# Altium PCB 即热式热水器控制系统_主板pcb(V1.9).PcbDoc
Units mm, origin at the board's own origin, x right, y up, seen from the top; angles counter-clockwise.
Board outline 78.5 x 78.5 mm, 2 copper layers (Top Layer, Bottom Layer); 60 components, 47 nets, 207 pads, 212 vias.
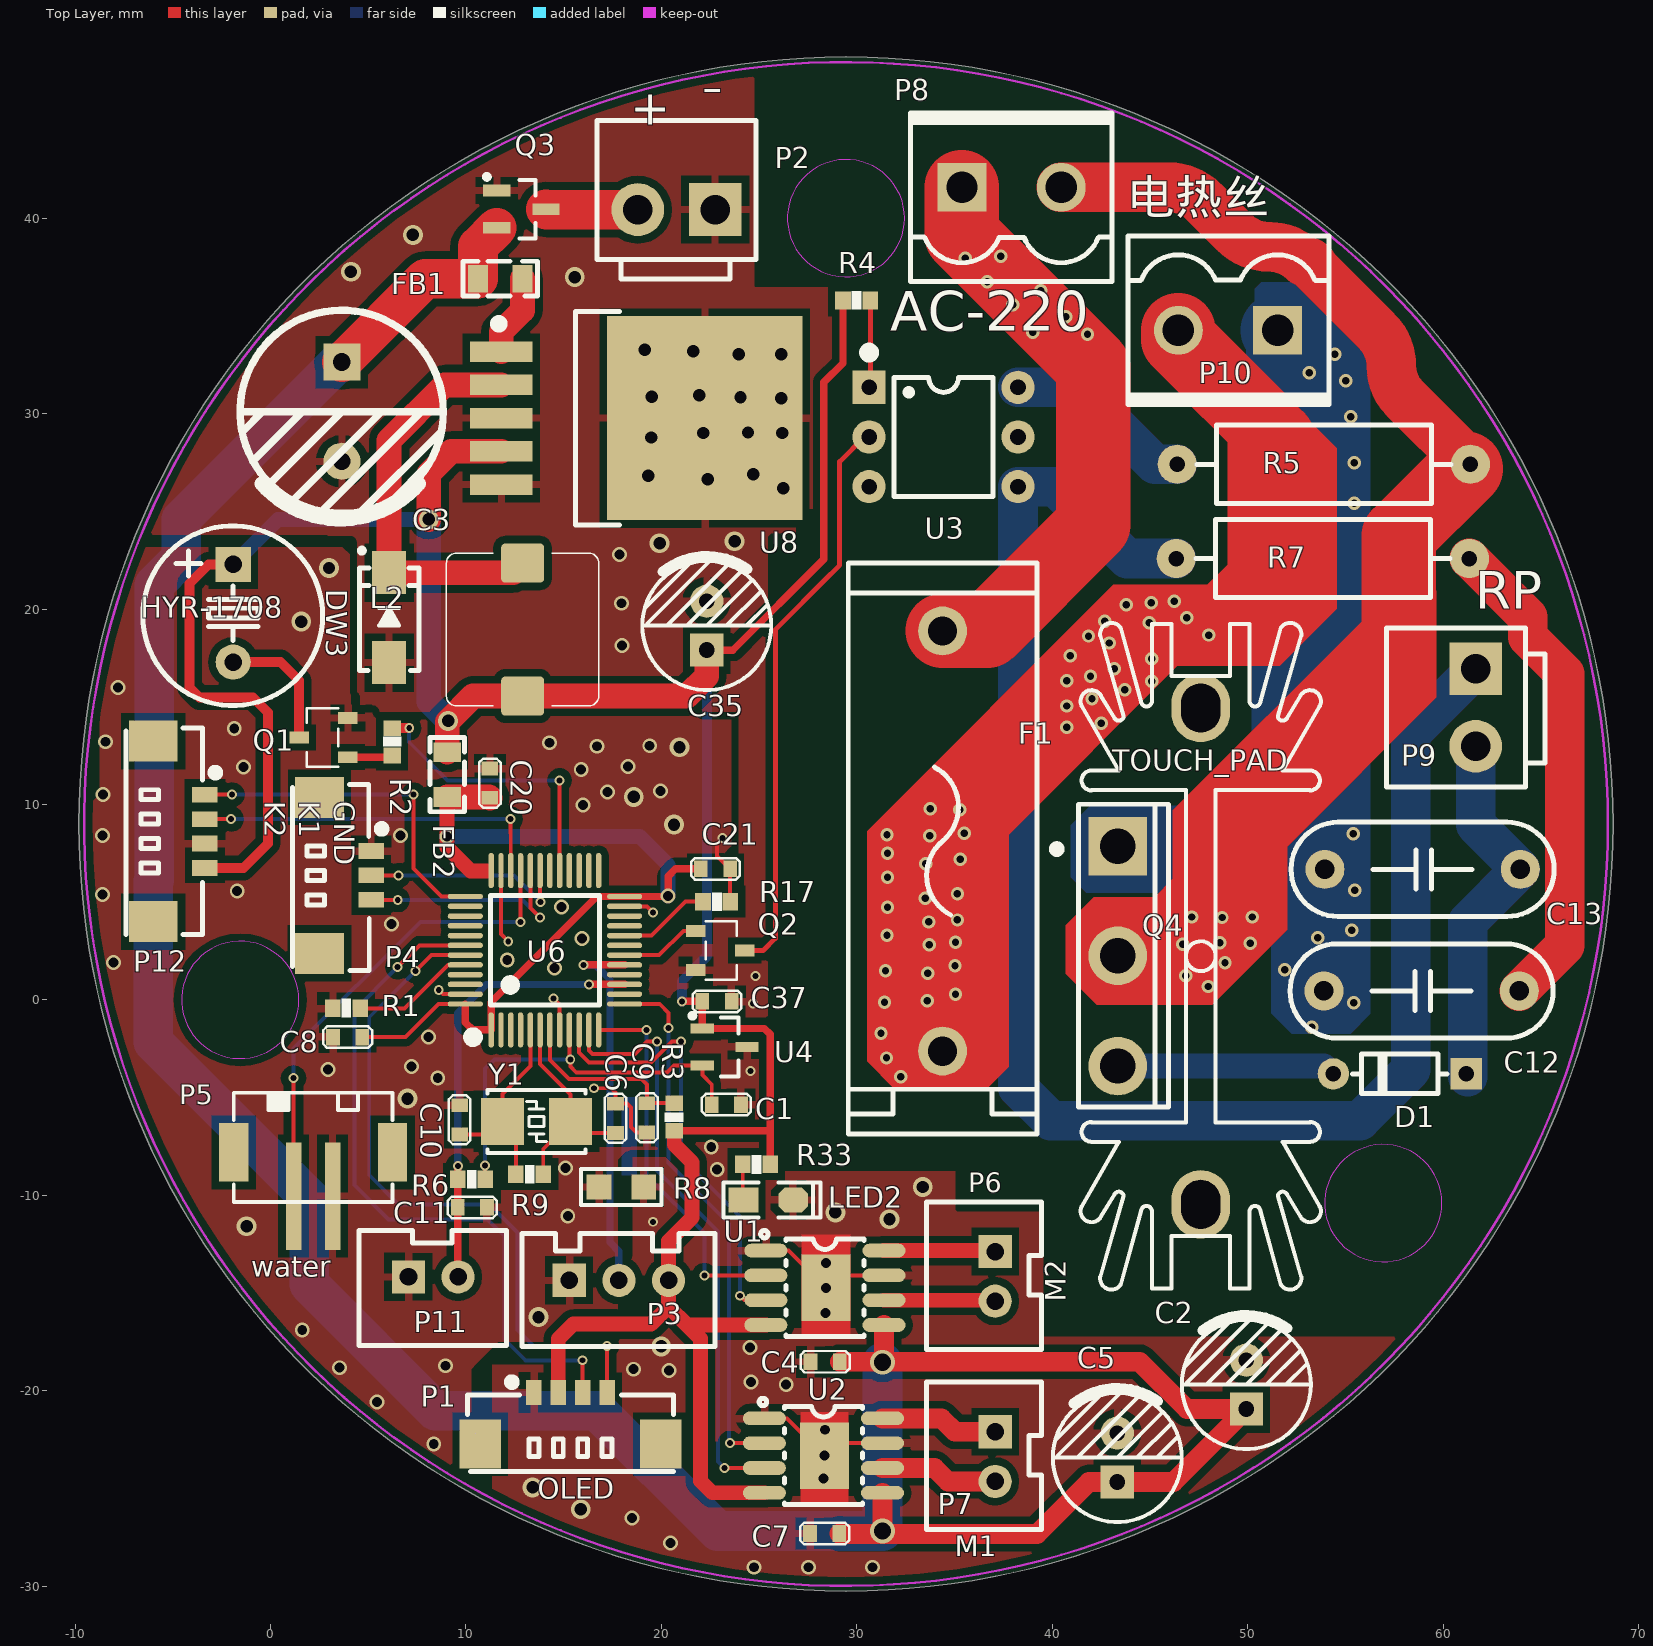
[diagram p0: Top Layer view]
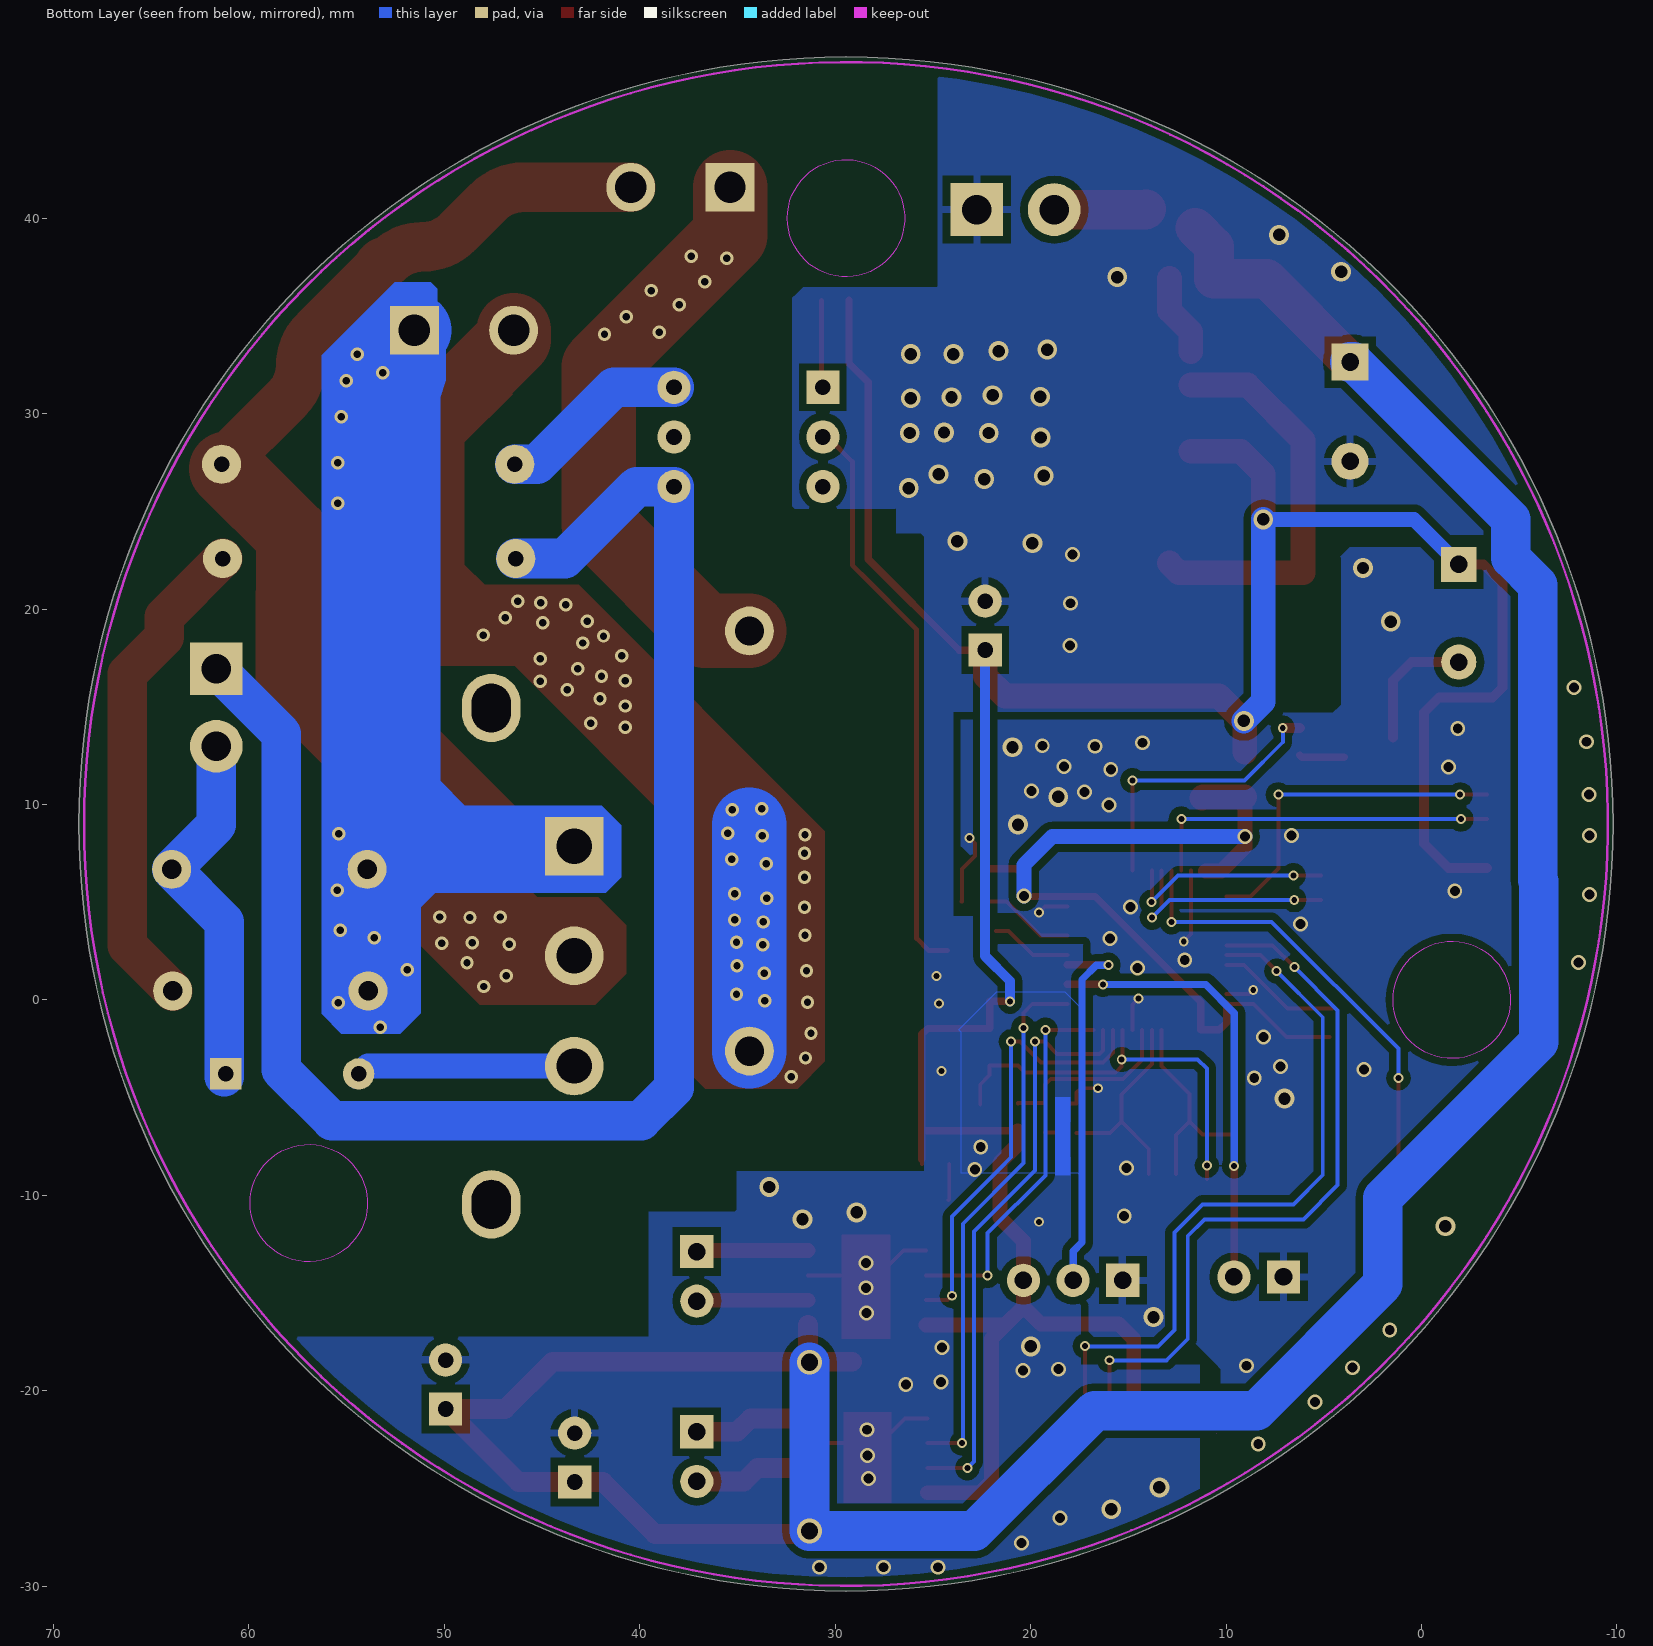
[diagram p1: Bottom Layer view, seen from below]

## Layer stack, top to bottom
Top Layer: signal copper 0.0356
Dielectric: dielectric 0.32, FR-4, Dk 4.8
Bottom Layer: signal copper 0.0356

## Board outline
-9.8,9 ccw(c29.45,9) 29.45,-30.25 ccw(c29.45,9) 68.7,9 ccw(c29.45,9) 29.45,48.25 ccw(c29.45,9)

## Design rules (kind name [scope] priority, off if disabled: settings)
Clearance Clearance_1 [InPolygon] p1: gap=0.381
Clearance [All] p2: gap=0.127
HoleToHoleClearance [All] p1: gap=0.1 allowstackedmicrovias=TRUE
MinimumSolderMaskSliver [All] p1: minsoldermaskwidth=0.1
PlaneConnect PlaneConnect_1 [IsVia] p1: planeconnectstyle=Relief reliefexpansion=0.508 reliefentries=4 reliefconductorwidth=0.254 reliefairgap=0.254
PlaneConnect [All] p2: planeconnectstyle=Relief reliefexpansion=0.508 reliefentries=4 reliefconductorwidth=0.254 reliefairgap=0.254
PolygonConnect PolygonConnect_1 [IsVia] p1: connectstyle=Direct reliefconductorwidth=0.254 reliefentries=4 polygonreliefangle="90 Angle"
PolygonConnect [All] p2: connectstyle=Relief reliefconductorwidth=0.381 reliefentries=4 polygonreliefangle="90 Angle"
RoutingVias [All] p1: holewidth=0.711 width=1.27 viastyle="Through Hole" minholewidth=0.3 minwidth=0.6 maxholewidth=0.711 maxwidth=1.27
SilkToSilkClearance [All] p1: silktosilkclearance=0
SilkscreenOverComponentPads SilkToSolderMaskClearance [IsPad] p1: minsilkscreentomaskgap=0
SolderMaskExpansion [All] p1: expansion=0.102
Width [All] p1: maxlimit=10.16 minlimit=0.001 preferedwidth=0.254 minimp=50.000000 maximp=50.000000 favimp=50.000000
23 further rules are at their usual default settings.

## Components (designator, comment, footprint, x,y, rotation, side; value= is the part's Value field where it differs from the comment)
C1 "0.1uF" 0603C 22.581,-5.359 r0 top
C2 "220uF/25V" "CAP 2.5*6.3*11.2" 49.936,-19.685 r90 top
C3 "680uF/35V" "CAP 5.0*10*16" 3.658,30.099 r270 top
C4 "0.1uF" 0603C 29.134,-18.517 r180 top
C5 "220uF/25V" "CAP 2.5*6.3*11.2" 43.332,-23.419 r90 top
C6 "18pF/10V" 0603C 17.653,-5.309 r270 top
C7 "0.1uF" 0603C 29.108,-27.305 r180 top
C8 "0.01uF/10V" 0603C 4.699,-1.905 r180 top
C9 "0.01uF/10V" 0603c 19.262,-6.782 r90 top
C10 "18pF/10V" 0603c 9.677,-5.385 r270 top
C11 "1nF" 0603C 9.576,-10.617 r0 top
C12 "0.1uF/275V" "CBB 10*12*8" 58.903,0.457 r180 top
C13 "0.1uF/275V" "CBB 10*12*8" 58.953,6.68 r180 top
C20 "0.01uF/10V" 0603C 11.227,10.338 r90 top
C21 "0.01uF/10V" 0603C 22.022,6.706 r0 top
C35 "220uF/25V" "CAP 2.5*6.3*11.2" 22.327,19.152 r90 top
C37 "0.1uF" 0603C 22.098,-0.076 r0 top
D1 "ESD9M5.0S-DTVS105" DO-35 57.785,-3.785 r180 top
DW3 "SS34" SMA 6.071,19.558 r90 top
F1 "5x20/30A" "FU BLX-A" 34.392,8.128 r90 top
FB1 "30R/5A" "L 0805" 11.76,36.906 r0 top
FB2 "30R/5A" "L 0805" 9.042,11.532 r270 top
HYR-1708 "BELL" "BEEP 5x9x5.5" -1.905,19.787 r180 top
L2 "CDRH127-100uH" CDRH74 12.903,18.948 r0 top
LED2 "" "LED 0805R" 25.476,-10.236 r0 top
P1 "MHDR1X4" "MX 1.25-LS-4P" 15.367,-22.352 r0 top
P2 "Header 2" VH3.96-LI-2P 20.777,40.437 r180 top
P3 "Header 3" XH2.54-LI-3P 17.831,-14.351 r0 top
P4 "Header 3" "MX 1.25-LS-3P" 2.896,10.109 r270 top
P5 "Header 2" PH2.0-LS-2P 2.184,-7.544 r0 top
P6 "Header 2" XH2.54-LI-2P 37.084,-14.148 r270 top
P7 "Header 2" XH2.54-LI-2P 37.084,-23.368 r270 top
P8 "Header 2" KF2EDGK5.08-LI-2P 37.922,41.58 r0 top
P9 "Header 2" VH3.96-LI-2P 61.671,14.961 r270 top
P10 "Header 2" KF2EDGK5.08-LI-2P 48.997,34.265 r180 top
P11 "Header 2" XH2.54-LI-2P 8.331,-14.173 r0 top
P12 "MHDR1X4" "MX 1.25-LS-4P" -5.613,8.611 r270 top
Q1 "S8050" SOT23-3 3.962,12.421 r0 top
Q2 "S8050" SOT23-3 21.768,3.531 r180 top
Q3 "AO3401A" SOT23-3M 11.582,40.462 r270 top
Q4 "SCR" TOP-3 43.358,2.235 r270 top
R1 "10K/5%" 0603r 3.886,-0.432 r180 top
R2 "4K7" 0603R 6.223,13.208 r90 top
R3 "10K/5%" 0603r 20.659,-5.994 r270 top
R4 "510" 0603r 29.997,35.789 r180 top
R5 "1K" "RS 1W" 53.899,27.407 r180 top
R6 "10K/5%" 0603r 10.287,-9.169 r0 top
R7 "100" "RS 1W" 53.848,22.581 r0 top
R8 "0" "R 0805_M" 17.958,-9.576 r0 top
R9 "1M/5%" 0603R 13.259,-8.915 r0 top
R17 "10K/5%" 0603r 22.835,5.029 r0 top
R33 "4K7" 0603R 24.867,-8.407 r0 top
TOUCH_PAD "TP" SRP12-34-25-P 47.6,2.235 r90 top
U1 "A4950" SOIC_8_EP 28.372,-14.732 r0 top
U2 "A4950" SOIC_8_EP 28.296,-23.317 r0 top
U3 "Optoisolator2" DIP6-300 34.442,28.804 r0 top
U4 "REF3012AIDBZR" SOT23-3N 23.241,-2.413 r270 top
U6 "STM32F10xC8T6" "LQFP48 7X7_N" 14.046,2.54 r0 top
U8 "LM2596-3.3" TO263-5A 11.811,29.769 r270 top
Y1 "8MHz" "OSC 5032-2P" 13.614,-6.223 r0 top

## Footprints (in the part's own frame and the unit in brackets; to place one, negate y for a bottom-side part, rotate by r counter-clockwise, add the part's x,y. Pads: shape width x height; smd on the part's side, far side on the other; paste and mask are expansions set on the pad)
0603C [mm]
  rect 0.7x0.85 smd: 1(0,0) 2(1.5,0)
  silkscreen extent -0.5,-0.55 2,0.55
0603c [mm]
  rect 0.7x0.85 smd: 1(0,0) 2(1.5,0)
  silkscreen extent -0.5,-0.55 2,0.55
0603r [mm]
  rect 0.8x0.9 smd: 1(-0.7,0) 2(0.7,0)
  silkscreen extent -0.24,-0.49 0.26,0.47, body extent -0.78,-0.43 0.77,0.42, height 0.45
0603R [mm]
  rect 0.8x0.9 smd: 1(-0.7,0) 2(0.7,0)
  silkscreen extent -0.24,-0.49 0.26,0.47, body extent -0.78,-0.43 0.77,0.42, height 0.45
"BEEP 5x9x5.5" [mm] "5*9*5.5mm(脚距,直径,高度)"
  rect 1.8x1.8 hole 0.9: 1(0,-2.5)
  round 1.8 hole 0.9: 2(0,2.5)
  silkscreen extent -4.58,-4.47 4.62,4.72, body extent -4.5,-4.5 4.5,4.5, height 5.45
"CAP 2.5*6.3*11.2" [mm] "脚距2.5mm直径6.3mm高度11.2mm"
  rect 1.7x1.7 hole 0.8: 1(-1.25,0)
  round 1.7 hole 0.8: 2(1.25,0)
  silkscreen extent -3.3,-3.3 3.56,3.3, body extent -3.15,-3.15 3.16,3.15, height 11.23
"CAP 5.0*10*16" [mm] "脚距5mm直径10mm高度16mm"
  rect 1.9x1.9 hole 0.9: 1(-2.54,0)
  round 1.9 hole 0.9: 2(2.54,0)
  silkscreen extent -5.19,-5.21 5.5,5.19, body extent -4.96,-4.97 5.01,4.97, height 16.04
"CBB 10*12*8" [mm] "脚距10mm高12mm厚8mm"
  round 2 hole 1: 1(-5,0) 2(5,0)
  silkscreen extent -6.73,-2.41 6.73,2.41, body extent -6,-2.25 6,2.25, height 8.53
CDRH74 [mm]
  rrect20% 2.2x2 smd: 1(0,-3.4) 2(0,3.4)
  silkscreen extent -3.9,-3.9 3.9,3.9, body extent -3.71,-3.7 3.69,3.7, height 4.15
DIP6-300 [mm] "6.8*7.6*3.8(长宽高）"
  rect 1.7x1.7 hole 0.8: 1(-3.81,2.54)
  round 1.7 hole 0.8: 2(-3.81,0) 3(-3.81,-2.54) 4(3.81,-2.54) 5(3.81,0) 6(3.81,2.54)
  silkscreen extent -4.06,-3.05 2.54,4.57, body extent -3.93,-3.43 3.93,3.43, height 4.5
DO-35 [mm] "1.8*6.8mm(直径，"
  rect 1.6x1.6 hole 0.8: 1(-3.4,0)
  round 1.6 hole 0.8: 2(3.4,0)
  silkscreen extent -2.41,-1.02 2.41,1.02, body extent -3.65,-0.9 3.65,0.9, height 1.85
"FU BLX-A" [mm] "BLX-A型保险丝座"
  round 2.5 hole 1.5: 1(-10.75,0) 2(10.75,0)
  silkscreen extent -14.99,-4.83 14.22,4.83, body extent -15.05,-4.75 14.3,4.75, height 13.9
KF2EDGK5.08-LI-2P [mm] "立插端子"
  rect 2.5x2.5 hole 1.6: 1(-2.54,0)
  round 2.5 hole 1.6: 2(2.54,0)
  silkscreen extent -5.16,-4.83 5.13,3.81, body extent -5.08,-4.75 5.08,3.75, height 11.25
"L 0805" [mil] "小功率贴片电感"
  rect 40x55 smd: 1(-45,0) 2(45,0)
  silkscreen extent -75,-35 75,35, body extent -39,-24 39,24, height 35
"LED 0805R" [mil] "红色0805LED"
  rect 60x50 smd: 1(-50,0)
  oct 60x50 smd: 2(50,0)
  silkscreen extent -90,-35 105,35
"LQFP48 7X7_N" [mm] "48脚，体宽7x7mm，脚距0.5mm"
  oval 0.279x1.8 smd: 1(-2.75,-4.075) 2(-2.25,-4.075) 3(-1.75,-4.075) 4(-1.25,-4.075) 5(-0.75,-4.075) 6(-0.25,-4.075) 7(0.25,-4.075) 8(0.75,-4.075) 9(1.25,-4.075) 10(1.75,-4.075) 11(2.25,-4.075) 12(2.75,-4.075) 25(2.75,4.075) 26(2.25,4.075) 27(1.75,4.075) 28(1.25,4.075) 29(0.75,4.075) 30(0.25,4.075) 31(-0.25,4.075) 32(-0.75,4.075) 33(-1.25,4.075) 34(-1.75,4.075) 35(-2.25,4.075) 36(-2.75,4.075)
  oval 1.8x0.279 smd: 13(4.075,-2.75) 14(4.075,-2.25) 15(4.075,-1.75) 16(4.075,-1.25) 17(4.075,-0.75) 18(4.075,-0.25) 19(4.075,0.25) 20(4.075,0.75) 21(4.075,1.25) 22(4.075,1.75) 23(4.075,2.25) 24(4.075,2.75) 37(-4.075,2.75) 38(-4.075,2.25) 39(-4.075,1.75) 40(-4.075,1.25) 41(-4.075,0.75) 42(-4.075,0.25) 43(-4.075,-0.25) 44(-4.075,-0.75) 45(-4.075,-1.25) 46(-4.075,-1.75) 47(-4.075,-2.25) 48(-4.075,-2.75)
  silkscreen extent -3.93,-4.69 2.79,2.79, body extent -4.5,-4.5 4.5,4.5, height 1.45
"MX 1.25-LS-3P" [mm] "长：8.5m，宽：3.7mm，高：4.7mm"
  rect 2.1x2.5 smd: 0(-0.254,-0.381) 0(7.732,-0.381)
  rect 0.8x1.3 smd: 1(2.489,2.261) 2(3.739,2.261) 3(4.989,2.261)
  silkscreen extent -0.92,-1.78 8.61,2.99, body extent -0.7,-1.6 8.2,2.5, height 4.7
"MX 1.25-LS-4P" [mm] "长：9.7"
  rect 2.1x2.5 smd: 0(-4.632,-0.381) 0(4.604,-0.381)
  rect 0.8x1.3 smd: 1(-1.889,2.261) 2(-0.639,2.261) 3(0.611,2.261) 4(1.861,2.261)
  silkscreen extent -5.29,-1.78 5.27,2.99, body extent -5.07,-1.6 5.07,2.5, height 4.7
"OSC 5032-2P" [mm] "5mm*3.2mm*0.8mm(长*宽*高)"
  rect 2.2x2.4 smd: 1(-1.75,0) 2(1.75,0)
  silkscreen extent -2.5,-1.6 2.5,1.6, body extent -2.5,-1.6 2.5,1.6, height 0.86
PH2.0-LS-2P [mm] "长：8mm，宽：5.5mm，?"
  rect 1.5x3 smd: 0(-4.064,-0.254) 0(4.064,-0.254)
  rect 0.8x5.5 smd: 1(-1,-2.492) 2(1,-2.492)
  silkscreen extent -4.06,-2.79 4.06,2.79, body extent -4,-5.05 4,2.75, height 6.15
"R 0805_M" [mil] "1/8W贴片电阻"
  rect 50x50 smd: 1(-45,0) 2(45,0)
  silkscreen extent -81,-36 81,36, body extent -39,-25 39,25, height 20
"RS 1W" [mm] "直插色环电阻，脚距15mm，直径4mm"
  round 2 hole 0.8: 1(-7.5,0) 2(7.5,0)
  silkscreen extent -6.5,-2 6.5,2, body extent -7.8,-2.01 7.8,2.01, height 4.11
SMA [mm] "4.5x2.6*2.2mm（长宽高，不包括引脚）"
  rect 2.2x1.75 smd: 1(-2.3,0) 2(2.3,0)
  silkscreen extent -2.7,-1.52 3.56,1.52, body extent -2.53,-1.3 2.57,1.3, height 2.15
SOIC_8_EP [mm]
  oval 2.2x0.7 smd: 1(-3.023,1.905) 2(-3.023,0.635) 3(-3.023,-0.635) 4(-3.023,-1.905) 5(3.023,-1.905) 6(3.023,-0.635) 7(3.023,0.635) 8(3.023,1.905)
  rect 2.5x3.4 smd: 9(0.051,0)
  silkscreen extent -3.29,-2.5 2,2.93
SOT23-3 [mm]
  rect 1x0.6 smd: 1(0,0) 2(0,2) 3(-2.5,1)
  silkscreen extent -2.1,-0.5 -0.5,2.5
SOT23-3M [mm] "3x1.3x1mm(长宽高)"
  rect 0.6x1.4 smd: 1(-0.95,0) 2(0.95,0) 3(0,2.514)
  silkscreen extent -1.78,-0.63 1.5,1.97, body extent -1.5,0.07 1.5,2.47, height 1.05
SOT23-3N [mm] "3x1.3x1mm(长宽高)"
  rect 0.5x1.2 smd: 1(-0.95,-1.143) 2(0.95,-1.143) 3(0,1.143)
  silkscreen extent -1.72,-1.78 1.5,0.7, body extent -1.5,-1.2 1.5,1.2, height 1.05
SRP12-34-25-P [mm] "12mm*32mm*25mm(长*宽*"
  oval 3.5x3 hole 2 slot 2.5 at 0 deg unplated: 0(-12.7,0) 0(12.7,0)
  silkscreen extent -17.06,-6.15 17.06,6.14, body extent -17.01,-6.07 17.01,6.06, height 25.05
TO263-5A [mm] "263，5脚晶体管"
  rect 1.05x3.2 smd: 1(-3.4,0) 2(-1.7,0) 3(0,0) 4(1.7,0) 5(3.4,0)
  rect 10.45x10 smd: 3(0,10.414)
  silkscreen extent -5.46,-0.33 5.46,6.04, body extent -5,-0.01 5,13.32, height 4.5
TOP-3 [mm]
  rect 3x3 hole 1.8: 1(-5.625,0)
  round 3 hole 1.8: 2(-0.025,0) 3(5.625,0)
  silkscreen extent -7.78,-3.32 7.72,2.6
VH3.96-LI-2P [mm] "接插件，25V/5A"
  rect 2.7x2.7 hole 1.5: 1(-1.98,0)
  round 2.7 hole 1.5: 2(1.982,0)
  silkscreen extent -4.06,-4.57 4.07,3.56, body extent -3.98,-4.4 4.03,4.16, height 10.5
XH2.54-LI-2P [mm] "接?"
  rect 1.7x1.7 hole 0.9: 1(-1.27,0)
  round 1.7 hole 0.9: 2(1.27,0)
  silkscreen extent -3.81,-3.51 3.74,2.37, body extent -3.77,-3.3 3.77,2.4, height 7.05
XH2.54-LI-3P [mm] "接?"
  rect 1.7x1.7 hole 0.9: 1(-2.54,0)
  round 1.7 hole 0.9: 2(0,0) 3(2.54,0)
  silkscreen extent -4.95,-3.38 4.93,2.39, body extent -5.04,-3.3 5.04,2.4, height 7.03

## Part data
C1 C4 C6 C7 C8 C9 C10 C11 C12 C13 C20 C21 C37: library part Cap, "Capacitor"
C2 C3 C5 C35: library part E01
DW3: library part ZENER2, "Zener Diode"
F1: library part "Fuse 1", "Fuse"
FB1 FB2 L2: library part INDUCTOR1
HYR-1708: "Bell"
LED2: library part LED0, "Typical INFRARED GaAs LED"
P1 P12: "Header, 4-Pin"
P2 P5 P6 P7 P8 P9 P10 P11: "Header, 2-Pin"
P3 P4: "Header, 3-Pin"
Q1 Q2: library part 2N1069_1
Q3: library part NMOS
Q4: "Silicon Controlled Rectifier"
R1 R3 R4 R5 R6 R7 R8 R9 R17: library part Res2, "Resistor"
R2 R33: library part RES1
TOUCH_PAD: library part TOUCH_PAD, "TEST_3P"
U3: "5 Pin Mini Flat Pack Optocoupler"
U4: library part REF3012
U6: library part STM32F100C8T6
U8: library part LM2576
Y1: library part XTAL, "Crystal Oscillator"

## Via types
v1: diameter 0.686, hole 0.381, Top Layer to Bottom Layer, tented both sides, 76 vias
v2: diameter 0.762, hole 0.508, Top Layer to Bottom Layer, tented both sides, 57 vias
v3: diameter 0.508, hole 0.305, Top Layer to Bottom Layer, tented both sides, 40 vias
v4: diameter 1.016, hole 0.635, Top Layer to Bottom Layer, tented both sides, 37 vias
v5: diameter 1.27, hole 0.889, Top Layer to Bottom Layer, tented both sides, 2 vias

## Nets (pads, with @x,y where several pads share a name; then routed paths per layer and width w, separated by ;. In a path a pad name is that pad's centre, name@x,y a point inside that pad or via, vN(x,y) a via of type N, cw(c..) or ccw(c..) an arc to the next point about the centre after c; other vN are vias at no path point)
+3V: C1.1 R6.2 U4.2 U6.9 | length 22.5
  Top Layer w0.203: R6.2 v3(10.987,-8.472) ; 15.296,-2.698 U6.9 15.296,-3.003 v3(15.342,-3.048) 15.342,-3.404 15.646,-3.708 20.295,-3.708 20.64,-3.363 U4.2 22.098,-3.835 22.581,-4.318 C1.1
  Bottom Layer w0.203: v3(10.987,-8.472) 10.987,-3.516 11.455,-3.048 v3(15.342,-3.048)
+3V3: C35.1 C37.1 FB2.1 HYR-1708.1 L2.1 P1.2 P3.3 P12.4 R3.2 R4.2 R33.2 U1.4 U2.4 U4.1 U8.4 | length 162.1
  Top Layer w0.203: R33.2 R33.2@25.567,-8.153
  Top Layer w0.381: R3.2 25.567,-6.694 ; v3(21.057,-0.076) C37.1 U4.1 25.263,-1.463 25.567,-1.767 25.567,-6.694 ; C35.1 23.667,17.902 28.321,22.555 28.321,31.598 29.297,32.574 R4.2 ; R33.2@25.567,-8.153 25.567,-6.694
  Top Layer w0.508: P12.4 -1.379,6.749 -0.127,8.001 -0.127,12.319 -0.127,14.707 -0.889,15.469 -3.632,15.469 -4.14,15.977 -4.14,21.311 -3.164,22.287 HYR-1708.1
  Top Layer w0.762: P1.2 14.728,-17.352 15.494,-16.586 19.482,-16.586 20.371,-15.697 ; R3.2 20.659,-7.4 21.579,-8.32 21.579,-8.661 21.579,-11.136 20.371,-12.344 P3.3 20.371,-15.697 ; U2.4 22.606,-25.222 21.996,-24.613 21.996,-17.323 21.311,-16.637 ; U1.4 21.311,-16.637 ; 20.371,-15.697 21.311,-16.637
  Top Layer w1.27: v4(8.103,24.587) 8.103,26.924 9.247,28.069 U8.4 ; FB2.1 9.042,14.224 v4(9.093,14.275) 10.367,15.548 L2.1 21.314,15.548 22.327,16.561 C35.1
  Bottom Layer w0.508: v3(21.057,-0.076) 21.057,0.965 22.327,2.235 C35.1
  Bottom Layer w0.762: HYR-1708.1 0.396,24.587 v4(8.103,24.587)
  Bottom Layer w1.27: v4(8.103,24.587) 8.103,15.265 v4(9.093,14.275)
+12V: C2.1 C3.1 C4.1 C5.1 C7.1 FB1.1 Q3.2 U1.5 U2.5 | length 159.9
  Top Layer w1.016: C7.1 29.134,-27.33 v5@31.166,-27.33 ; C4.1 31.318,-18.517 v5@31.344,-18.517 ; U2.5 v5(31.318,-27.178) v5@31.166,-27.33 ; v5(31.318,-18.542) v5@31.344,-18.517 ; 31.394,-17.653 U1.5 31.394,-18.466 v5@31.344,-18.517 ; v5@31.166,-27.33 39.228,-27.33 41.889,-24.669 C5.1 46.203,-24.669 C2.1 46.894,-20.935 44.475,-18.517 v5@31.344,-18.517
  Top Layer w2.032: C3.1 7.925,36.906 FB1.1 10.617,38.547 Q3.2
  Bottom Layer w2.032: C3.1 3.48,32.639 -4.572,24.587 -4.572,22.606 -5.949,21.229 -5.949,6.116 -5.994,6.071 -5.994,-2.159 1.981,-10.135 1.981,-14.554 8.447,-21.02 16.727,-21.02 22.885,-27.178 v5(31.318,-27.178) v5(31.318,-18.542)
ADC_1: C11.1 P11.2 R6.1 U6.15 | length 22.6
  Top Layer w0.381: v3(9.587,-8.498) R6.1 9.587,-14.159 P11.2 ; v3@16.36,0.79 U6.15
  Bottom Layer w0.381: v3(9.587,-8.498) 9.587,-0.675 11.049,0.787 v3(16.307,0.787)
ADC_3: P3.2 U6.17 | length 19.3
  Top Layer w0.381: v3(16.027,1.778) 16.039,1.79 U6.17
  Bottom Layer w0.381: v3(16.027,1.778) 16.637,1.778 17.374,1.041 17.374,-12.395 17.831,-12.852 P3.2
AGND: C1.2 C2.2 C3.2 C4.2 C5.2 C7.2 C35.2 C37.2 DW3.1 LED2.2 P1.1 P2.1 Q2.2 Q3.1 R8.2 U1.1 U1.7 U1.9 U2.1 U2.7 U2.9 U4.3 U8.3 U8.5 | length 14.2
  Top Layer w0.203: U2.1 26.441,-21.412 v2(28.346,-23.317) 28.981,-22.682 U2.7 ; U1.1 26.518,-12.827 v2(28.423,-14.732) 29.058,-14.097 U1.7
  other v2: 24.74,-29.032 27.534,-29.032 30.81,-29.032 20.472,-27.788 18.491,-26.518 28.296,-24.486 28.372,-21.996 26.391,-19.685 24.587,-19.558 20.396,-18.974 18.567,-18.898 24.536,-17.78 28.397,-16.027 28.423,-13.462 22.86,-8.687 22.555,-7.518 17.983,18.136 17.958,20.295 17.856,22.784
  other v3: 19.583,-11.354 24.562,-3.632 24.689,-0.178 24.816,1.219
  other v4: 15.875,-26.06 13.411,-24.943 19.993,-17.729 31.674,-11.227 28.905,-10.871 33.376,-9.576 19.914,23.368 23.749,23.47 26.238,26.187 22.377,26.645 19.329,26.822 24.714,26.899 19.482,28.778 22.149,29.007 26.187,29.007 24.435,29.032 26.137,30.785 24.054,30.836 19.507,30.861 21.946,30.937 23.952,33.045 26.137,33.045 21.641,33.198 19.152,33.274 15.57,36.982 4.115,37.262 7.29,39.141
FM: R2.2 U6.29 | length 14.7
  Top Layer w0.203: U6.29 v3(14.796,11.227)
  Top Layer w0.508: R2.2 v3(7.101,13.908)
  Bottom Layer w0.203: v3(7.101,13.908) 7.101,13.183 9.057,11.227 v3(14.796,11.227)
GND: C6.1 C8.2 C9.1 C10.1 C11.2 C20.2 C21.2 P3.1 P4.1 P5.2 P11.1 P12.3 Q1.2 R1.2 R8.1 R17.2 U6.8 U6.23 U6.35 U6.47 | length 16.8
  Top Layer w0.203: v3(8.611,0.508) 8.829,0.29 U6.47 ; U6.35 11.796,3.368 v3(12.167,2.997) ; v3(14.478,0.076) 14.796,-0.242 U6.8 ; v3(16.561,-4.521) 17.424,-4.521 17.653,-4.75 C6.1 18.237,-5.309 18.44,-5.512 18.44,-6.502 18.72,-6.782 C9.1 ; U6.23 19.264,4.79 v3(19.583,4.47) ; v3(23.139,8.28) 22.86,8.001 22.86,7.367 C21.2 23.522,5.042 R17.2
  other v2: 8.357,-22.733 5.461,-20.574 3.531,-18.821 8.966,-18.72 1.626,-16.891 15.215,-11.049 15.088,-8.611 8.56,-3.988 2.946,-3.556 7.214,-3.404 8.077,-1.905 14.529,1.626 -8.026,1.905 12.116,2.032 15.951,3.15 6.198,3.886 14.884,4.75 -8.585,5.385 -1.702,5.563 -8.585,8.407 6.655,8.407 16.002,9.982 -8.56,10.516 17.247,10.643 19.964,10.693 15.9,11.786 -1.372,11.913 18.288,11.938 16.713,12.979 19.406,13.005 14.275,13.157 -8.433,13.208 -1.854,13.894 -7.798,15.977
  other v4: 13.716,-16.231 -1.219,-11.582 7.01,-5.055 20.65,8.966 18.593,10.389 20.93,12.929 1.572,19.355 2.997,22.098
HEAT: Q2.1 U6.18 | length 4.2
  Top Layer w0.203: U6.18 19.892,2.29 21.133,3.531 Q2.1
KEY1: P4.2 U6.31 | length 10.8
  Top Layer w0.203: P4.2 v3(6.559,6.37) ; U6.31 13.796,5.025 v3(13.818,5.004)
  Bottom Layer w0.203: v3(6.559,6.37) 12.451,6.37 v3(13.818,5.004)
KEY2: P4.3 U6.32 | length 11.6
  Top Layer w0.203: P4.3 v3(6.513,5.12) ; U6.32 13.296,4.712 v3(13.792,4.216)
  Bottom Layer w0.203: v3(6.513,5.12) 12.889,5.12 v3(13.792,4.216)
NetC8_1: C8.1 C20.1 C21.1 FB2.2 U6.1 U6.24 U6.36 U6.48 | length 44.8
  Top Layer w0.203: C8.1 6.909,-1.905 8.604,-0.21 U6.48
  Top Layer w0.381: U6.48 9.971,-1.157 10.349,-1.535 U6.1 11.296,-0.108 16.695,5.29 U6.24 20.327,5.29 v2(20.345,5.309) 20.345,6.325 20.726,6.706 21.742,6.706 C21.1
  Top Layer w0.762: FB2.2 v2(9.042,8.357) 9.042,7.798 10.236,6.604 11.049,6.604
  Top Layer w1.27: FB2.2 11.176,10.389 C20.1
  Bottom Layer w0.762: v2(9.042,8.357) 18.898,8.357 20.345,6.909 20.345,5.715 v2(20.345,5.309)
NetC12_1: C12.1 R7.2 | length 25.1
  Top Layer w2.032: R7.2 64.338,19.59 64.338,18.567 66.223,16.682 66.223,2.778 C12.1
NetC12_2: C12.2 C13.2 P10.1 Q4.1 | length 45.9
  Bottom Layer w3.81: Q4.1 52.773,7.86 C13.2 ; P10.1 53.953,31.848 C13.2 ; C12.2 53.953,0.508 C13.2
  other v1: 53.289,-1.397 55.423,-0.152 51.892,1.549 53.594,3.175 55.321,3.556 55.474,5.613 55.397,8.509 55.448,25.407 55.448,27.483 55.27,29.845 55.016,31.674 53.162,32.08 54.458,33.045
NetC13_1: C13.1 D1.1 P9.2 | length 19
  Bottom Layer w2.032: D1.1@61.261,-3.937 61.261,3.988 C13.1 61.671,8.962 P9.2
NetD1_2: D1.2 Q4.3 | length 11.3
  Bottom Layer w1.27: Q4.3 53.914,-3.39 D1.2@54.461,-3.937
NetDW3_2: DW3.2 L2.2 U8.2 | length 20.7
  Top Layer w1.27: U8.2 8.914,31.469 6.071,28.626 DW3.2 12.413,21.858 L2.2
NetF1_1: F1.1 P10.2 | length 60.5
  Top Layer w3.81: F1.1 34.392,9.474 44.221,19.304 49.098,19.304 49.558,19.764 51.537,21.742 51.537,28.711 49.558,30.69 48.531,31.717 46.457,33.791 P10.2
  Bottom Layer w3.81: F1.1 34.392,8.966
  other v1: 32.258,-3.937 31.521,-2.972 31.242,-1.702 31.42,-0.127 33.604,-0.051 35.052,0.279 33.63,1.372 31.471,1.499 35.027,1.753 33.706,2.819 35.052,2.946 31.547,3.302 33.68,3.988 35.154,4.089 31.572,4.75 33.503,5.207 35.154,5.436 31.572,6.274 33.528,6.96 35.306,7.188 31.572,7.493 33.731,8.407 31.547,8.458 35.509,8.534 35.281,9.728 33.757,9.779 40.742,13.945 42.52,14.148 40.742,15.037 42.037,15.418 43.713,15.875 45.104,16.307 40.742,16.332 41.961,16.561 43.18,16.942 45.104,17.45 40.919,17.602 42.926,18.263 41.859,18.618 48.006,18.669 44.958,19.304 42.697,19.38 46.888,19.558 43.79,20.218 45.06,20.32 46.253,20.396
NetF1_2: F1.2 P8.1 | length 30
  Top Layer w3.81: F1.2 36.683,18.878 42.113,24.308 42.113,32.385 35.382,39.116 P8.1
  other v1: 41.808,34.061 39.014,34.163 40.691,34.95 37.973,35.56 39.421,36.297 36.675,36.754 35.56,37.948 37.363,38.049
NetFB1_2: FB1.2 U8.1 | length 4.2
  Top Layer w1.27: U8.1 11.811,34.188 12.903,35.281 FB1.2
NetHYR-1708_2: HYR-1708.2 Q1.3 | length 6.7
  Top Layer w0.508: HYR-1708.2 0.519,17.287 1.462,16.343 Q1.3
NetLED2_1: LED2.1 R33.1 | length 1.8
  Top Layer w0.203: R33.1 24.167,-10.197 LED2.1
NetP2_2: P2.2 Q3.3 | length 4.7
  Top Layer w2.032: Q3.3 14.122,40.437 P2.2
NetP6_1: P6.1 U1.8 | length 5.7
  Top Layer w0.762: U1.8 37.033,-12.827 P6.1
NetP6_2: P6.2 U1.6 | length 5.7
  Top Layer w0.762: U1.6 37.033,-15.367 P6.2
NetP7_1: P7.1 U2.8 | length 6
  Top Layer w1.016: U2.8 34.341,-21.412 35.027,-22.098 P7.1
NetP7_2: P7.2 U2.6 | length 6
  Top Layer w1.016: U2.6 33.985,-23.952 34.671,-24.638 P7.2
NetP8_2: P8.2 Q4.2 R5.1 | length 61.5
  Top Layer w2.54: P8.2 45.963,41.58 cw(c45.963,39.04) 47.759,40.836 49.319,39.276 ccw(c51.116,41.072) 51.116,38.532 cw(c51.116,36.043) 52.875,37.803 cw(c52.875,37.19) 53.309,37.623 ccw(c53.37,37.623) 53.327,37.58 ; R5.1 58.041,30.764 cw(c59.702,32.425) 57.353,32.425 ccw(c54.813,32.425) 56.609,34.221 53.38,37.45 ; 53.327,37.58 ccw(c53.511,37.58) 53.38,37.45 ; 53.327,37.58 ccw(c53.511,37.58) 53.38,37.45
  Top Layer w3.81: Q4.2 44.603,2.26 46.075,2.26 49.327,5.512 49.327,9.22 57.738,17.631 57.738,23.745 R5.1@61.165,27.172
  other v1: 47.981,0.686 46.838,1.245 48.844,1.905 46.671,2.856 50.14,2.896 48.565,2.921 48.692,4.216 47.142,4.242 50.241,4.242
NetP9_1: P9.1 R7.1 U3.4 | length 84.1
  Bottom Layer w2.032: R7.1 43.84,22.581 40.157,26.264 U3.4 38.252,-4.496 39.934,-6.178 55.748,-6.178 58.344,-3.581 58.344,13.613 P9.1
NetQ1_1: Q1.1 R2.1 | length 2.3
  Top Layer w0.381: Q1.1 6.136,12.421 R2.1
NetQ2_3: Q2.3 U3.2 | length 29.6
  Top Layer w0.254: Q2.3 25.213,2.531 25.832,3.15 25.832,18.948 28.626,21.742 28.766,21.882 29.127,22.244 29.127,27.54 30.391,28.804 U3.2
NetR1_1: R1.1 U6.44 | length 6.3
  Top Layer w0.203: R1.1 6.858,-0.432 9.08,1.79 U6.44
NetR4_1: R4.1 U3.1 | length 4.5
  Top Layer w0.254: U3.1 30.697,31.409 R4.1
NetR5_2: R5.2 U3.6 | length 11.4
  Bottom Layer w2.032: U3.6 41.326,31.344 ; 42.443,30.226 41.326,31.344 ; R5.2 45.263,27.407 41.326,31.344
NetR17_1: R17.1 U6.20 | length 4.7
  Top Layer w0.203: U6.20 19.495,3.29 21.234,5.029 R17.1
NRST: C9.2 R3.1 U6.7 | length 9.4
  Top Layer w0.203: U6.7 14.296,-3.069 15.265,-4.039 18.974,-4.039 19.262,-4.327 C9.2 20.646,-5.282 R3.1
OSC_IN: C10.2 R9.1 U6.5 Y1.1 | length 10.7
  Top Layer w0.203: C10.2 11.203,-6.885 Y1.1 ; R9.1 12.559,-6.917 Y1.1 ; U6.5 13.296,-3.392 11.864,-4.823 Y1.1
OSC_OUT: C6.2 R9.2 U6.6 Y1.2 | length 11.1
  Top Layer w0.203: U6.6 13.796,-3.281 15.364,-4.849 Y1.2 ; R9.2 13.959,-7.629 Y1.2 ; C6.2 15.95,-6.809 Y1.2
PA2: U1.2 U6.12 | length 19.4
  Top Layer w0.203: U6.12 v3(19.242,-1.535) ; v3(22.2,-14.097) U1.2
  Bottom Layer w0.203: v3(19.242,-1.535) 19.242,-8.98 22.2,-11.938 v3(22.2,-14.097)
PA3: U2.2 U6.13 | length 27.5
  Top Layer w0.203: U6.13 19.92,-0.21 20.371,-0.66 v3(20.371,-1.448) ; v3(23.52,-22.682) U2.2
  Bottom Layer w0.203: v3(20.371,-1.448) 20.371,-8.357 23.47,-11.455 23.47,-22.631 v3(23.52,-22.682)
SCL: P1.3 U6.42 | length 36.7
  Top Layer w0.203: v3(6.502,1.676) 7.616,2.79 U6.42 ; P1.3 v3@15.978,-18.442
  Bottom Layer w0.203: v3(6.502,1.676) 4.293,-0.533 4.293,-9.474 6.045,-11.227 11.1,-11.227 11.963,-12.09 11.963,-17.348 13.056,-18.44 14.427,-18.44 ; 14.961,-18.44 14.427,-18.44 ; v3(15.977,-18.44) 14.427,-18.44
SDA: P1.4 U6.43 | length 37.3
  Top Layer w0.203: v3(7.417,1.473) 8.234,2.29 U6.43 ; P1.4 v3(17.228,-17.711)
  Bottom Layer w0.203: v3(7.417,1.473) 5.055,-0.889 5.055,-8.966 6.553,-10.465 11.201,-10.465 12.649,-11.913 12.649,-16.891 13.487,-17.729 14.503,-17.729 ; 16.361,-17.729 14.503,-17.729 ; v3@17.247,-17.729 14.503,-17.729
SWCLK: P12.1 U6.37 | length 17.7
  Top Layer w0.203: P12.1 v3(-1.972,10.499) ; v3(7.33,10.499) 7.33,8.834 7.33,6.717 8.757,5.29 U6.37
  Bottom Layer w0.203: v3(-1.972,10.499) v3(7.33,10.499)
SWDIO: P12.2 U6.34 | length 19.2
  Top Layer w0.203: P12.2 v3(-2.01,9.249) ; v3(12.294,9.249) 12.294,8.534 12.296,8.532 U6.34
  Bottom Layer w0.203: v3(-2.01,9.249) 8.128,9.249 ; 8.331,9.249 8.128,9.249 ; 8.128,9.249 10.236,9.249 11.579,9.249 ; 11.579,9.249 v3(12.294,9.249) 11.579,9.249
TIM2_CH1: U1.3 U6.10 | length 22.7
  Top Layer w0.203: U6.10 15.796,-2.69 16.307,-3.2 19.482,-3.2 20.549,-2.134 v3(21.006,-2.134) ; v3(24.028,-15.138) 24.257,-15.367 U1.3
  Bottom Layer w0.203: v3(21.006,-2.134) 21.006,-8.052 21.603,-8.649 24.028,-11.074 v3(24.028,-15.138)
TIM2_CH2: U2.3 U6.11 | length 30.2
  Top Layer w0.203: U6.11 16.296,-2.58 16.485,-2.769 18.644,-2.769 19.279,-2.134 v3(19.787,-2.134) ; v3(23.241,-23.952) U2.3
  Bottom Layer w0.203: v3(19.787,-2.134) 19.787,-8.738 22.911,-11.862 22.911,-23.622 v3(23.241,-23.952)
WATER: P5.1 U6.33 | length 24.5
  Top Layer w0.203: P5.1 v3(1.184,-3.997) ; U6.33 v3(12.796,3.993) v3@12.802,3.988
  Bottom Layer w0.203: v3(1.184,-3.997) 1.184,-2.499 7.671,3.988 v3@12.802,3.988
pads on no net: P1.0 P4.0 P5.0 P12.0 TOUCH_PAD.0 U3.3 U3.5 U6.2 U6.3 U6.4 U6.14 U6.16 U6.19 U6.21 U6.22 U6.25 U6.26 U6.27 U6.28 U6.30 U6.38 U6.39 U6.40 U6.41 U6.45 U6.46

## Polygon pours and split planes (outlines as drawn)
AGND on Top Layer "Mid-Layer 1-No Net" (solid, remove dead copper, pour order 1000): -13.587,23.825 -13.561,23.8 2.808,23.8 2.939,23.8 2.939,15.748 4.114,15.748 4.114,14.732 17.193,14.732 23.955,14.732 23.955,4.267 21.813,4.267 21.649,4.108 21.649,2.85 17.303,2.85 17.298,2.845 17.324,2.819 17.324,-6.045 17.324,-6.223 21.083,-6.223 21.083,-8.026 21.057,-8.052 20.457,-8.052 17.481,-8.052 17.428,-8.001 17.428,-9.398 17.428,-18.669 11.345,-18.669 11.345,-33.249 10.275,-34.29 10.64,-34.646 58.547,-34.646 58.547,-18.11 57.79,-17.374 57.659,-17.247 46.277,-17.247 39.541,-17.247 39.515,-17.272 39.541,-17.247 39.541,-10.846 35.312,-10.846 35.155,-10.846 35.051,-10.744 35.051,-8.763 25.451,-8.763 25.451,23.706 25.626,23.876 26.881,23.876 26.881,25.122 26.905,25.146 26.931,25.121 32.022,25.121 32.074,25.121 32.101,25.146 32.205,25.248 32.205,25.451 32.205,35.916 31.97,36.144 31.631,36.474 29.203,36.474 24.817,36.474 24.764,36.525 24.764,39.091 24.764,52.476 24.634,52.603 24.007,53.213 11.946,53.213 1.555,53.213 -13.665,38.405 -12.516,37.287 -12.516,23.8
GND on Top Layer "Mid-Layer 1-No Net" (solid, remove dead copper, pour order 1001): -8.814,23.063 -8.712,23.165 1.905,23.165 3.683,23.165 4.166,22.682 4.115,22.631 4.115,20.015 4.115,15.113 4.166,15.062 4.547,14.681 5.207,14.681 23.52,14.681 23.698,14.503 23.8,14.402 23.8,14.122 23.8,8.103 23.47,7.772 22.987,7.29 22.987,7.188 22.987,4.547 22.962,4.521 22.911,4.47 21.869,4.47 20.676,4.47 20.372,4.167 19.075,2.87 19.075,1.295 19.075,-2.997 19.787,-3.708 19.99,-3.912 19.99,-6.934 19.99,-7.569 19.837,-7.722 19.812,-7.747 18.694,-7.747 18.212,-7.747 17.907,-8.052 17.78,-8.179 17.78,-9.22 17.78,-16.231 17.145,-16.866 16.51,-17.501 13.31,-17.501 11.659,-17.501 10.541,-18.618 10.262,-18.898 10.262,-20.726 10.262,-25.425 9.881,-25.806 9.779,-25.908 8.255,-25.908 5.588,-25.908 -19.787,-0.533 -8.738,10.516 -8.738,23.393
AGND on Bottom Layer "Mid-Layer 1-No Net" (solid, remove dead copper, pour order 1002): -13.587,23.825 -13.561,23.8 2.808,23.8 2.939,23.8 2.939,15.748 4.114,15.748 4.114,14.732 17.193,14.732 23.955,14.732 23.955,4.267 21.813,4.267 21.649,4.108 21.649,2.85 17.303,2.85 17.298,2.845 17.324,2.819 17.324,-6.045 17.324,-6.223 21.083,-6.223 21.083,-8.026 21.057,-8.052 20.457,-8.052 17.481,-8.052 17.428,-8.001 17.428,-9.398 17.428,-18.669 11.345,-18.669 11.345,-33.249 10.275,-34.29 10.64,-34.646 58.547,-34.646 58.547,-18.11 57.79,-17.374 57.659,-17.247 46.277,-17.247 39.541,-17.247 39.515,-17.272 39.541,-17.247 39.541,-10.846 35.312,-10.846 35.155,-10.846 35.051,-10.744 35.051,-8.763 25.451,-8.763 25.451,23.706 25.626,23.876 26.881,23.876 26.881,25.122 26.905,25.146 26.931,25.121 32.022,25.121 32.074,25.121 32.101,25.146 32.205,25.248 32.205,25.451 32.205,35.916 31.97,36.144 31.631,36.474 29.203,36.474 24.817,36.474 24.764,36.525 24.764,39.091 24.764,52.476 24.634,52.603 24.007,53.213 11.946,53.213 1.555,53.213 -13.665,38.405 -12.516,37.287 -12.516,23.8
GND on Bottom Layer "Mid-Layer 1-No Net" (solid, remove dead copper, pour order 1003): -8.814,23.063 -8.712,23.165 1.905,23.165 3.683,23.165 4.166,22.682 4.115,22.631 4.115,20.015 4.115,15.113 4.166,15.062 4.547,14.681 5.207,14.681 23.52,14.681 23.698,14.503 23.8,14.402 23.8,14.122 23.8,8.103 23.47,7.772 22.987,7.29 22.987,7.188 22.987,4.547 22.962,4.521 22.911,4.47 21.869,4.47 20.676,4.47 20.372,4.167 19.075,2.87 19.075,1.295 19.075,-2.997 19.787,-3.708 19.99,-3.912 19.99,-6.934 19.99,-7.569 19.837,-7.722 19.812,-7.747 18.694,-7.747 18.212,-7.747 17.907,-8.052 17.78,-8.179 17.78,-9.22 17.78,-16.231 17.145,-16.866 16.51,-17.501 13.31,-17.501 11.659,-17.501 10.541,-18.618 10.262,-18.898 10.262,-20.726 10.262,-25.425 9.881,-25.806 9.779,-25.908 8.255,-25.908 5.588,-25.908 -19.787,-0.533 -8.738,10.516 -8.738,23.393
AGND on Bottom Layer "Mid-Layer 1-No Net" (solid, remove dead copper, pour order 1004): 18.263,0.406 17.374,-0.483 17.374,-2.718 17.374,-9.068 17.577,-8.865 23.546,-8.865 23.546,-1.651 23.673,-1.524 21.742,0.406 18.263,0.406

## Keep-outs
Keep-Out Layer:
  circle w0.127: c29.45,9 r38.989
  circle w0.025: c56.942,-10.398 r3
  circle w0.006: c29.45,40 r3
  circle w0.006: c-1.55,0 r3
  lines w0.006: 22.941,-29.706 22.943,-29.705 ; 10.495,-22.166 10.495,-22.166

## Other copper
Top Layer:
  rectangle net AGND: 27.178,-17.348 29.693,-12.014
  rectangle net AGND: 27.127,-25.756 29.566,-21.082
  region net NetP8_2: 42.291,-0.254 48.184,-0.254 52.019,3.581 52.019,7.849 59.665,15.494 59.665,20.93 56.591,20.93 56.185,20.523 56.083,20.523 55.855,20.295 55.855,19.38 46.177,9.703 46.177,6.198 45.237,5.258 42.139,5.258 40.691,3.81 40.691,1.346
  region net NetF1_1: 31.928,-4.547 36.652,-4.547 37.77,-3.429 37.77,8.458 46.406,17.094 51.638,17.094 54.559,20.015 54.559,28.219 51.003,31.775 47.295,31.775 46.507,30.988 48.971,28.524 48.971,22.276 47.93,21.234 43.129,21.234 30.531,8.636 30.531,-3.15
Bottom Layer:
  rectangle net AGND: 17.958,-8.98 18.75,-4.978
  region net NetC12_2: 50.368,35.56 49.936,35.128 49.936,31.699 50.216,30.836 50.216,11.201 48.946,9.931 41.935,9.931 40.945,8.941 40.945,6.274 41.732,5.486 50.47,5.486 51.206,4.75 51.206,-0.686 52.248,-1.727 55.27,-1.727 56.286,-0.711 56.286,32.995 52.553,36.728 50.698,36.728 50.368,36.398

## Silkscreen, mask and mechanical layers (free items; w line width, h text height)
Top Overlay:
  text "+" at 20.447,46.914 h3.05 r180
  text "-" at 22.073,45.009 h3.81
  text "电热丝" at 43.866,39.649 h3.05
  text "AC-220" at 31.725,34.239 h2.03
  text "RP" at 61.646,19.38 h3.3
  text "GND / K1 / K2" at -0.66,10.16 h1.78 r270
  text "water" at -0.991,-14.529 h1.78
  text "M2" at 41.046,-15.443 h1.78 r90
  text "OLED" at 13.665,-25.883 h1.78
  text "M1" at 35.027,-28.829 h1.78
Mechanical 1:
  circle w0.127: c-1.55,0 r1.55
  circle w0.127: c29.45,40 r1.55
  circle w0.127: c56.942,-10.398 r1.55
  circle w0.127: c29.45,9 r39.25
  lines w0.006: 22.941,-29.706 22.943,-29.705 ; 10.495,-22.166 10.495,-22.166